# Altium PCB A4_v40.PcbDoc (part 1 of 2)
Units mil, origin at the board's own origin, x right, y up, seen from the top; angles counter-clockwise.
Board outline 3937.01 x 3149.61 mil, 2 copper layers (Top Layer, Bottom Layer); 100 components, 61 nets, 293 pads, 30 vias.
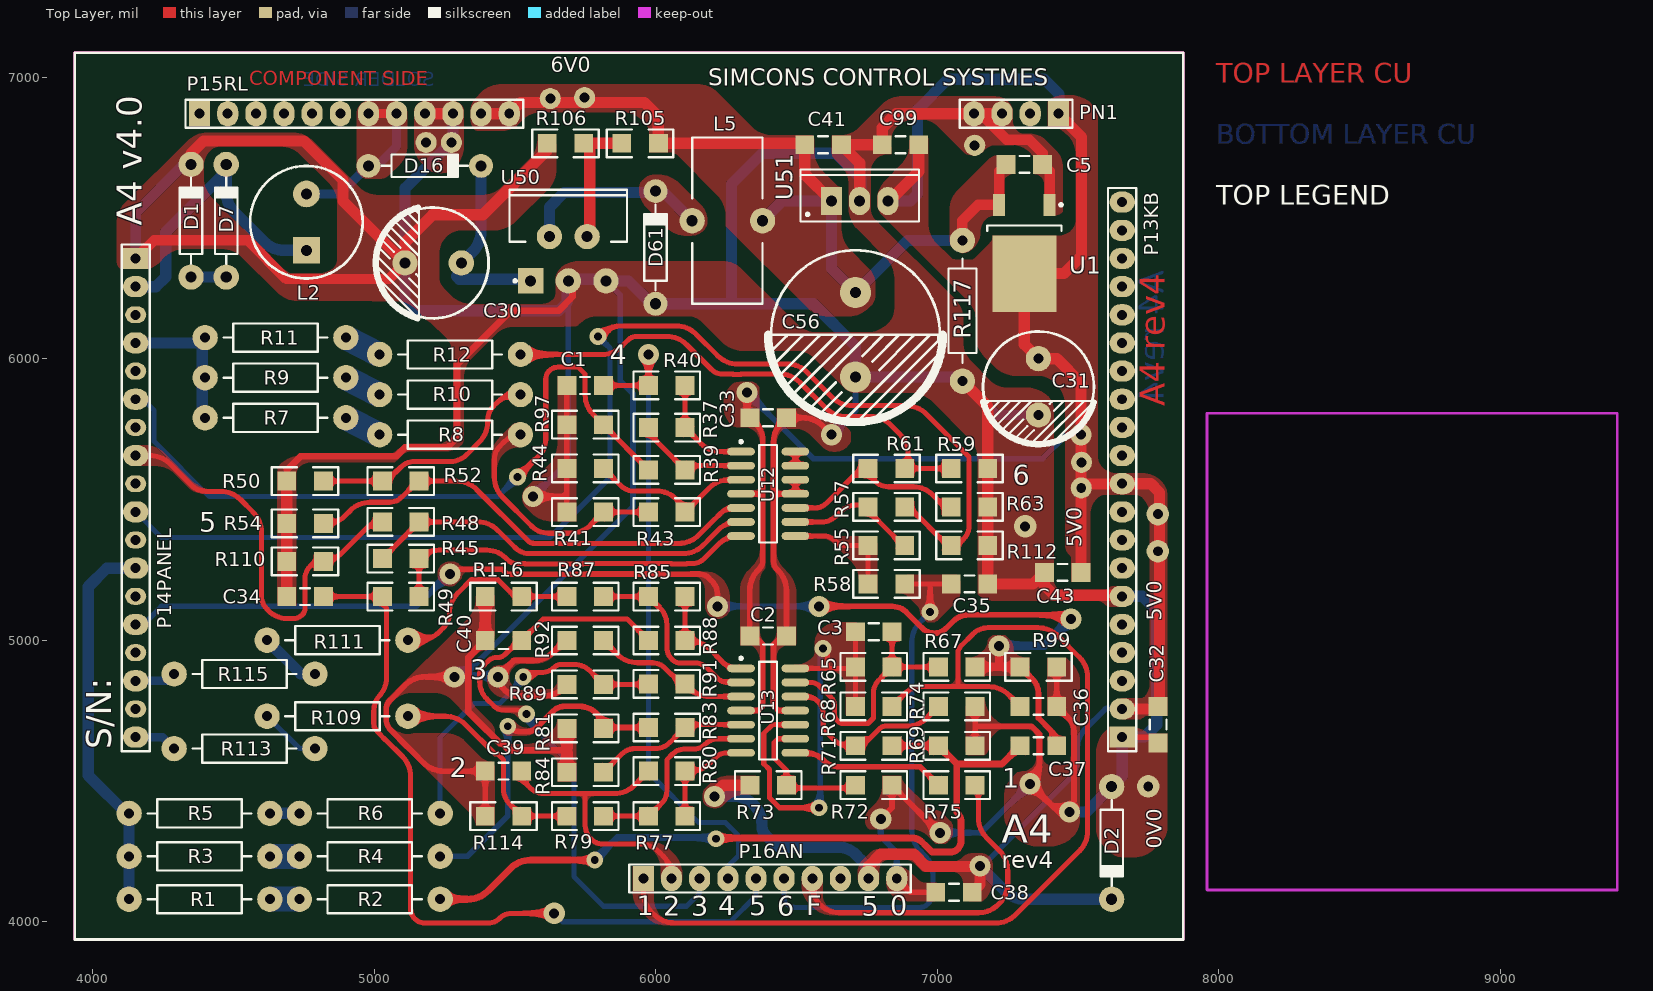
[diagram p0: Top Layer view]
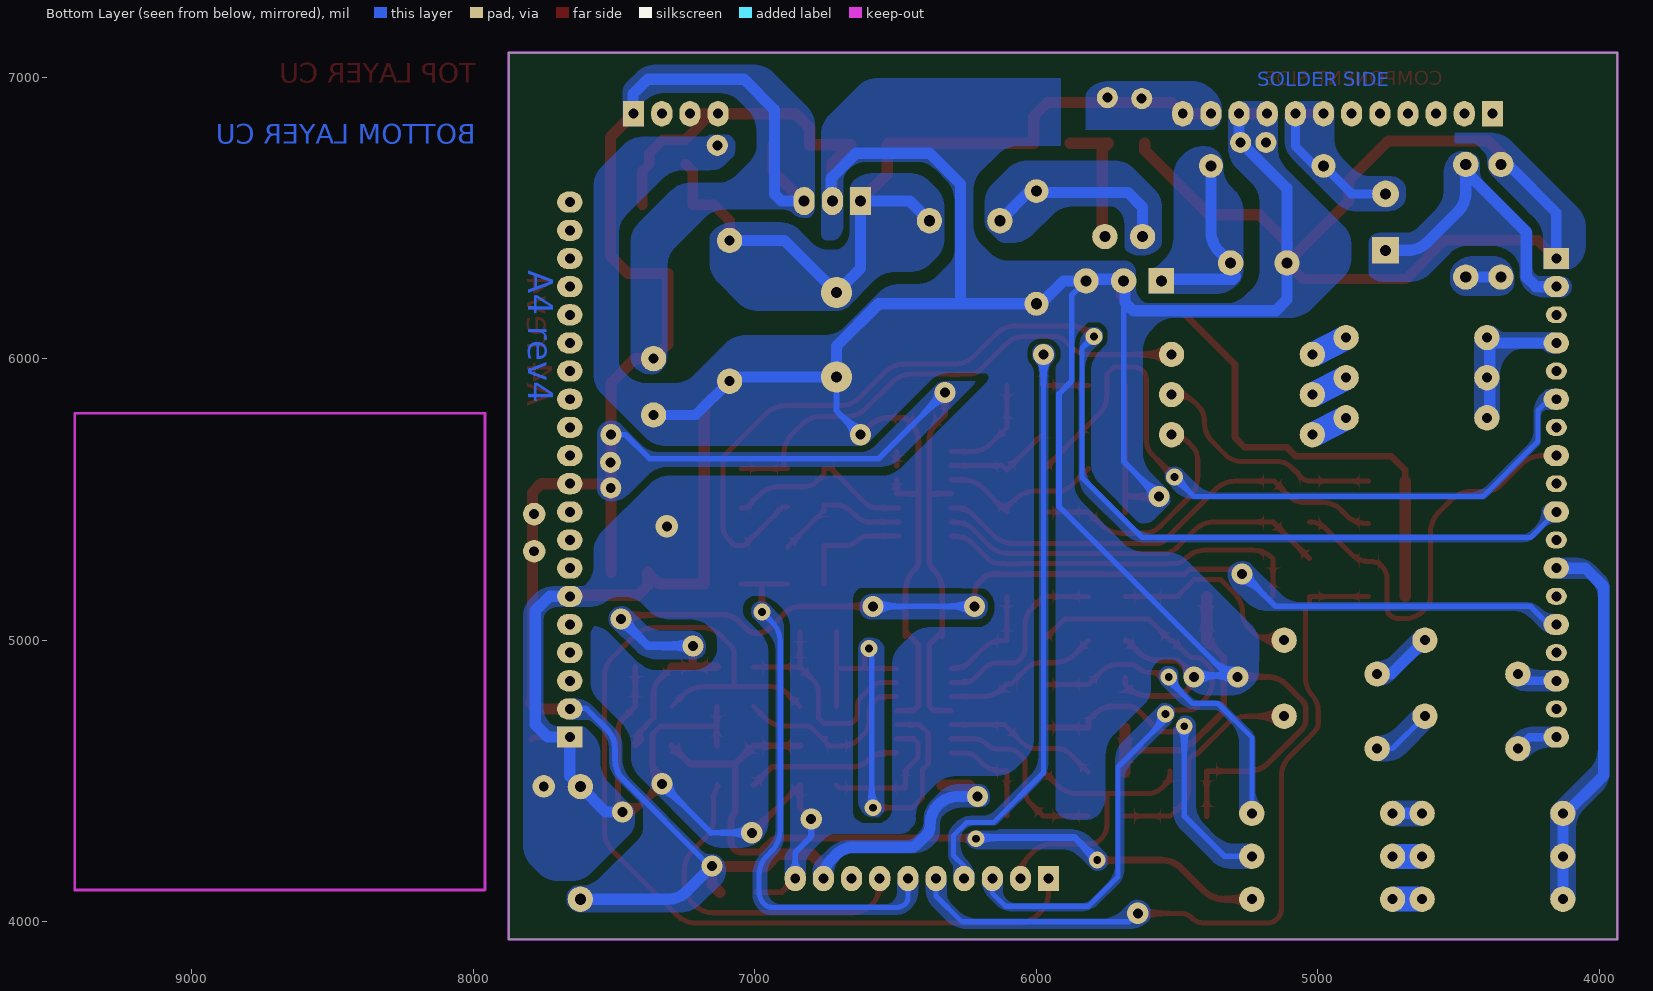
[diagram p1: Bottom Layer view, seen from below]
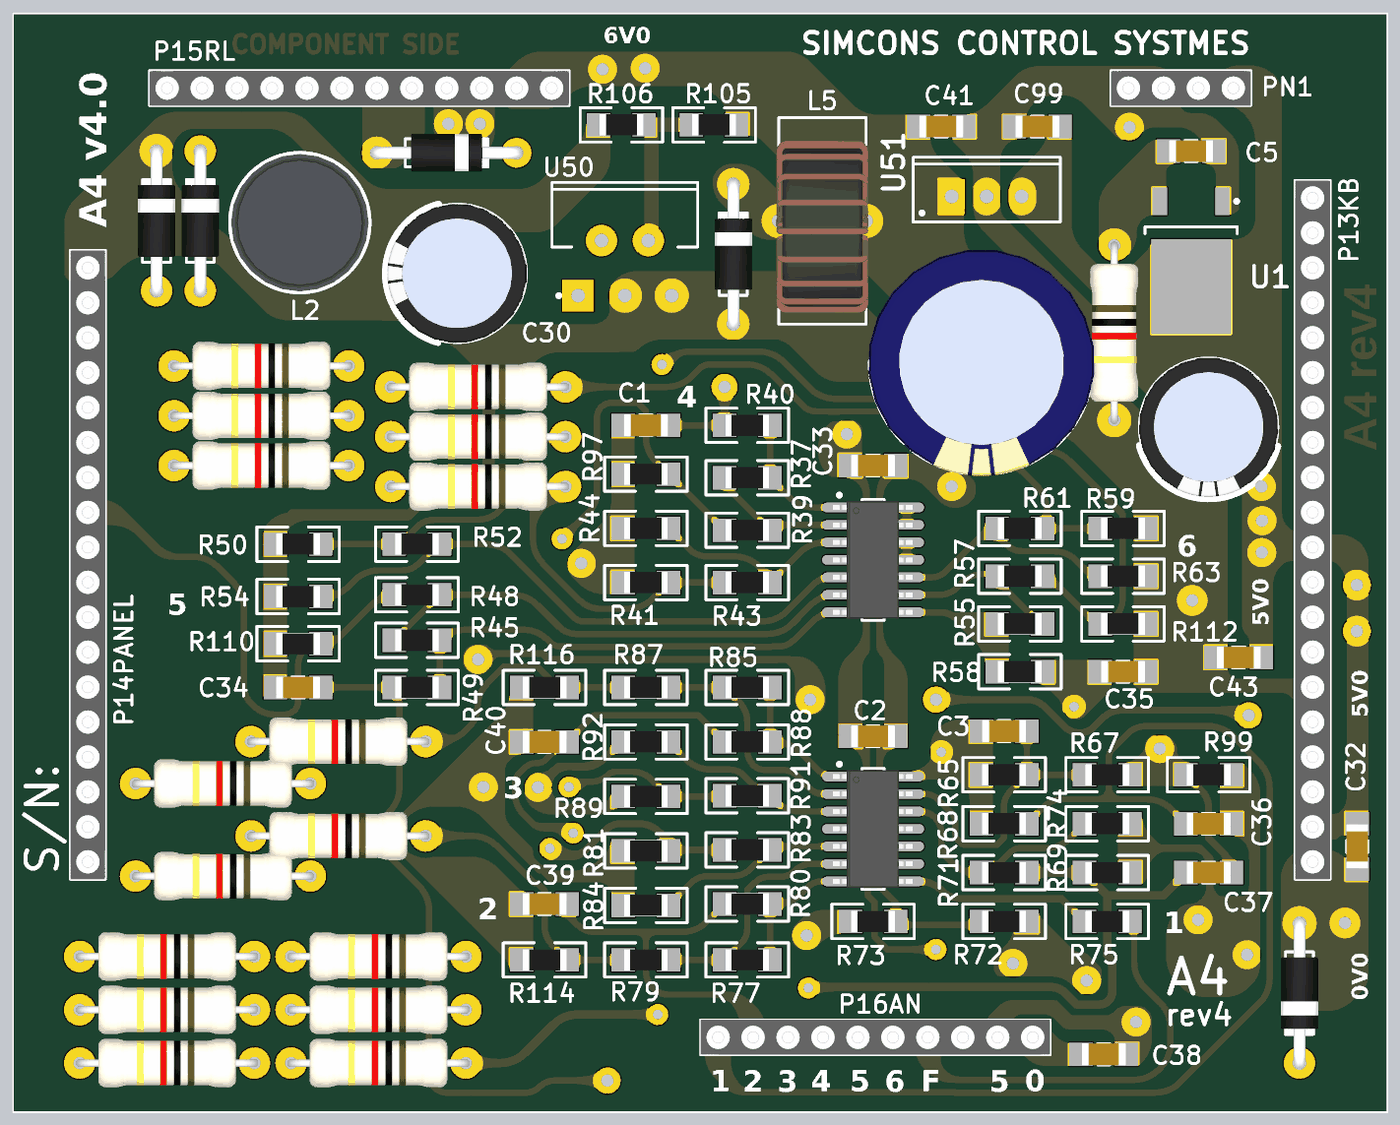
[diagram p3: 3D render of the assembled board from above, using the file's embedded part models]

## Layer stack, top to bottom
Top Solder: solder mask 0.4, Solder Resist, Dk 3.5
Top Layer: signal copper 1.4
Dielectric1: dielectric 12.6, FR-4, Dk 4.8
Bottom Layer: signal copper 1.4
Bottom Solder: solder mask 0.4, Solder Resist, Dk 3.5

## Board outline
3937.01,3937.01 7874.02,3937.01 7874.02,7086.61 3937.01,7086.61

## Design rules (kind name [scope] priority, off if disabled: settings)
Clearance [All] p1: gap=18 ignorepadtopadclearanceinfootprint=FALSE except(0: Arc-Hole Track-Hole SMDPad-Hole THPad-Hole Via-Hole Fill-Hole Poly-Hole Region-Hole Text-Hole)
ComponentClearance [All] p1 off: gap=10 collisioncheckmode=3 verticalgap=10 showdistances=FALSE
Height [All] p1 off: minheight=0 maxheight=1000 prefheight=500
MinimumSolderMaskSliver [All] p1: minsoldermaskwidth=0
PlaneConnect [All] p1: planeconnectstyle=Relief reliefexpansion=20 reliefentries=4 reliefconductorwidth=22 reliefairgap=8
PolygonConnect [All] p1: connectstyle=Direct reliefconductorwidth=10 reliefentries=4 polygonreliefangle="90 Angle" airgapwidth=10
RoutingVias [All] p1: holewidth=35.43 width=60 viastyle="Through Hole" minholewidth=28 minwidth=60 maxholewidth=59.06 maxwidth=90
SilkToSilkClearance [All] p1: silktosilkclearance=0
SilkToSolderMaskClearance SilkscreenOverComponentPads [IsPad] p1: minsilkscreentomaskgap=1 clearancetoexposedcopper=TRUE
SolderMaskExpansion [All] p1: expansion=4
Width [All] p1: maxlimit=40 minlimit=18 preferedwidth=18
24 further rules are at their usual default settings.

## Classes and differential pairs
component class SUPPLY_v40: "1K 1206" C5 C30 C31 C32 C43 C56 C99 D1 D2 D7 D16 D61 L2 L5 R105 R106 R117 U1 U50 U51
component class BOTTOM_v40: C41 P13KB P14PANEL P15RL P16AN PN1
component class AC_v40: C1 C33 C34 C35 R7 R8 R9 R10 R11 R12 R37 R39 R40 R41 R43 R44 R45 R48 R49 R50 R52 R54 R55 R57 R58 R59 R61 R63 R97 R110 R112 U12
component class AC2_v40: C2 C3 C36 C37 C38 C39 C40 R1 R2 R3 R4 R5 R6 R65 R67 R68 R69 R71 R72 R73 R74 R75 R77 R79 R80 R81 R83 R84 R85 R87 R88 R89 R91 R92 R99 R109 R111 R113 R114 R115 R116 U13

## Components (designator, comment, footprint, x,y, rotation, side; value= is the part's Value field where it differs from the comment)
C1 "10uF/63V" C1206 5750,5905 r180 top value=100pF
C2 ".1uF 1206" C1206 6400,5015 r180 top value=100pF
C3 ".1uF 1206" C1206 6775,5030 r0 top value=100pF
C5 ".1uF 1206" C1206 7310,6690 r180 top value=100nF
C30 "Cap Electrolitic 1000uF/50V" CAP_.2-2#1 5210,6340 r270 top value=330uF
C31 "Cap Electrolytic 470uF/16V" CAP_.2-2#2 7360,5900 r0 top value=100uF
C32 ".1uF 1206" C1206 7785,4700 r90 top value=100nF
C33 ".1uF 1206" C1206 6400,5790 r180 top value=100pF
C34 "10uF/63V" C1206 4755,5155 r180 top value=100pF
C35 "10uF/63V" C1206 7115,5200 r0 top value=100pF
C36 "10uF/63V" C1206 7360,4765 r0 top value=100pF
C37 "22nF 1206" C1206 7360,4625 r0 top value=100pF
C38 ".1uF 1206" C1206 7060,4105 r0 top value=100pF
C39 "10uF/63V" C1206 5460,4535 r180 top value=100pF
C40 "10uF/63V" C1206 5460,4999 r180 top value=100pF
C41 ".1uF 1206" C1206 6595,6760 r180 top value=100pF
C43 "1uF 1206" C1206 7446,5241 r0 top value=100nF
C56 "Cap Electrolitic 3300uF/16V" CAP_.3 6710,6085 r0 top value=330uF
C99 ".1uF 1206" C1206 6870,6760 r0 top value=100pF
D1 "P6KE33A x 2" DIODE1A#1 4350,6490 r90 top
D2 "P6KE6V8A" DIODE1A#1 7620,4280 r270 top
D7 "P6KE33A x 2" DIODE1A#1 4475,6490 r90 top
D16 "1N4007" DIODE1A#2 5180,6685 r0 top
D61 "1N5819" DIODE1A#2 6000,6395 r90 top
L2 "Inductor 220uH" INDUCTOR 4760,6485 r180 top value=4.7mH
L5 "Inductor Toroid 1mH" INDUCTORTOROID 6255,6490 r90 top value=10mH
P13KB "Header 20" HDR1X20_BURGE_F 7657.48,4655.91 r90 top locked
P14PANEL "Header 18" HDR1X18_BURGE_F 4153.54,6355.91 r270 top locked
P15RL "Header 12" HDR1X12_BURGE_F 4380.31,6870.08 r0 top locked
P16AN "Header 10" HDR1X10_BURGE_F 5956.69,4153.54 r0 top locked
PN1 "Header 4" HDR1X4_BURGE_F 7430.71,6870.08 r180 top locked
R1 "MFR 1M .5W" AXIAL-0.5 4380,4080 r0 top value=100K
R2 "MFR 1M .5W" AXIAL-0.5 4985,4080 r0 top value=100K
R3 "MFR 1M .5W" AXIAL-0.5 4380,4232.5 r0 top value=100K
R4 "MFR 1M .5W" AXIAL-0.5 4985,4232.5 r0 top value=100K
R5 "MFR 1M .5W" AXIAL-0.5 4380,4385 r0 top value=100K
R6 "MFR 1M .5W" AXIAL-0.5 4985,4385 r0 top value=100K
R7 "MFR 1M .5W" AXIAL-0.5 4650,5790 r0 top value=100K
R8 "MFR 1M .5W" AXIAL-0.5 5270,5730 r0 top value=100K
R9 "MFR 1M .5W" AXIAL-0.5 4650,5932.5 r0 top value=100K
R10 "MFR 1M .5W" AXIAL-0.5 5270,5872.5 r0 top value=100K
R11 "MFR 1M .5W" AXIAL-0.5 4650,6075 r0 top value=100K
R12 "MFR 1M .5W" AXIAL-0.5 5270,6015 r0 top value=100K
R37 "1M 1206" R1206 6040,5755 r180 top value=1k
R39 "220K 1206" R1206 6040,5605 r180 top value=1k
R40 "33K 1206" R1206 6040,5905 r0 top value=1k
R41 "4.7K 1206" R1206 5750,5455 r180 top value=1k
R43 "220K 1206" R1206 6040,5455 r180 top value=1k
R44 "1M 1206" R1206 5750,5610.25 r0 top value=1k
R45 "1M 1206" R1206 5095,5290 r180 top value=1k
R48 "220K 1206" R1206 5095,5420 r180 top value=1k
R49 "33K 1206" R1206 5095,5155 r0 top value=1k
R50 "4.7K 1206" R1206 4755,5565 r180 top value=1k
R52 "220K 1206" R1206 5095,5565 r180 top value=1k
R54 "1M 1206" R1206 4755,5415 r0 top value=1k
R55 "1M 1206" R1206 6820,5336.67 r0 top value=1k
R57 "220K 1206" R1206 6820,5473.33 r0 top value=1k
R58 "33K 1206" R1206 6820,5200 r180 top value=1k
R59 "4.7K 1206" R1206 7115,5610 r0 top value=1k
R61 "220K 1206" R1206 6820,5610 r0 top value=1k
R63 "1M 1206" R1206 7115,5473.33 r180 top value=1k
R65 "1M 1206" R1206 6775,4905 r0 top value=1k
R67 "220K 1206" R1206 7070,4905 r0 top value=1k
R68 "33K 1206" R1206 6775,4765 r180 top value=1k
R69 "4.7K 1206" R1206 7070,4625 r0 top value=1k
R71 "220K 1206" R1206 6775,4625 r0 top value=1k
R72 "1K 1206" R1206 6775,4485 r0 top value=1k
R73 "10K 1206" R1206 6400,4485 r0 top value=1k
R74 "1M 1206" R1206 7070,4765 r180 top value=1k
R75 "10K 1206" R1206 7070,4485 r0 top value=1k
R77 "1M 1206" R1206 6040,4375 r180 top value=1k
R79 "220K 1206" R1206 5750,4375 r180 top value=1k
R80 "33K 1206" R1206 6040,4535 r0 top value=1k
R81 "4.7K 1206" R1206 5750,4687 r180 top value=1k
R83 "220K 1206" R1206 6040,4690 r180 top value=1k
R84 "1M 1206" R1206 5750,4531 r0 top value=1k
R85 "1M 1206" R1206 6040,5155 r180 top value=1k
R87 "220K 1206" R1206 5750,5155 r180 top value=1k
R88 "33K 1206" R1206 6040,4999 r0 top value=1k
R89 "4.7K 1206" R1206 5750,4843 r180 top value=1k
R91 "220K 1206" R1206 6040,4845 r180 top value=1k
R92 "1M 1206" R1206 5750,4999 r0 top value=1k
R97 "4.7K 1206" R1206 5750,5765.5 r0 top value=100
R99 "4.7K 1206" R1206 7360,4905 r180 top value=100
R105 "18K 1206" R1206 5945,6765 r0 top value=1K
R106 "4.7K 1206" R1206 5680,6765 r0 top value=1.1K
R109 "MFR 1M .5W" AXIAL-0.5 4870,4730 r0 top value=100K
R110 "4.7K 1206" R1206 4755,5280 r0 top value=100
R111 "MFR 1M .5W" AXIAL-0.5 4870,5000 r0 top value=100K
R112 "4.7K 1206" R1206 7115,5336.67 r180 top value=100
R113 "MFR 1M .5W" AXIAL-0.5 4540,4615 r0 top value=100K
R114 "4.7K 1206" R1206 5460,4375 r0 top value=100
R115 "MFR 1M .5W" AXIAL-0.5 4540,4880 r0 top value=100K
R116 "4.7K 1206" R1206 5460,5155 r0 top value=100
R117 "MFR 220E .5W" AXIAL-0.5 7090,6170 r90 top value=1K
U1 "LM1117DTX-5.0" TD03B_N 7310,6375 r270 top
U12 "LM324AD" D014_M 6400,5520 r0 top
U13 "LM324AD" D014_M 6400,4750 r0 top
U50 "LM2576T-ADJ" T05D 5690,6355 r0 top
U51 "LM2940CT-5.0" T03B 6725,6560 r0 top

## Footprints (in the part's own frame and the unit in brackets; to place one, negate y for a bottom-side part, rotate by r counter-clockwise, add the part's x,y. Pads: shape width x height; smd on the part's side, far side on the other; paste and mask are expansions set on the pad)
AXIAL-0.5 [mil] "Axial Device, Thru-Hole; 2 Leads; 0.5 in Pin Spacing"
  round 90 hole 35.43: 1(-250,0) 2(250,0)
  silkscreen extent -185,-50 185,50, body extent -261,-69 261,69, height 153
C1206 [mm] "Chip Capacitor, Body 3.2x1.6mm, IPC High Density"
  rect 1.7x1.7 smd: 1(-1.65,0) 2(1.65,0)
  silkscreen extent -0.44,-0.76 0.44,0.76, body extent -1.6,-0.8 1.6,0.8, height 1
CAP_.2-2#1 [mil]
  round 90 hole 39.37: 1(0,100) 2(0,-100)
  silkscreen extent -198,-205 197,197, body extent -199,-200 199,198, height 520
CAP_.2-2#2 [mil]
  round 90 hole 35.43: 1(0,100) 2(0,-100)
  silkscreen extent -198,-205 197,197, body extent -199,-200 199,198, height 520
CAP_.3 [mil]
  round 110 hole 39.37: 1(0,150) 2(0,-150)
  silkscreen extent -310,-315 310,300, body extent -324,-325 324,324, height 1031
D014_M [mm] "SOIC, 14-Leads, Body 8.7x3.9mm, Pitch 1.27mm, IPC Low Density"
  oval 2.5x0.7 smd: 1(-2.45,3.81) 2(-2.45,2.54) 3(-2.45,1.27) 4(-2.45,0) 5(-2.45,-1.27) 6(-2.45,-2.54) 7(-2.45,-3.81) 8(2.45,-3.81) 9(2.45,-2.54) 10(2.45,-1.27) 11(2.45,0) 12(2.45,1.27) 13(2.45,2.54) 14(2.45,3.81)
  silkscreen extent -2.57,-4.4 0.8,4.83, body extent -2.92,-4.28 2.88,4.27, height 1.75
DIODE1A#1 [mil] "DIODE 1 AMPERE"
  round 90 hole 39.37: 1(-200,0) 2(200,0)
  silkscreen extent -152,-40 152,40, body extent -217,-54 217,54, height 107
DIODE1A#2 [mil] "DIODE 1 AMPERE"
  round 85 hole 39.37: 1(-200,0) 2(200,0)
  silkscreen extent -152,-40 152,40, body extent -217,-54 217,54, height 107
HDR1X4_BURGE_F [mil] "Connector; Header; 4 Position"
  rect 75x90 hole 35.43: 1(0,0)
  oval 75x90 hole 35.43: 2(100,0) 3(200,0) 4(300,0)
  silkscreen extent -50,-50 350,50, body extent -50,-50 350,50, height 237
HDR1X10_BURGE_F [mil] "Connector; Header; 10 Position"
  rect 75x90 hole 35.43: 1(0,0)
  oval 75x90 hole 35.43: 2(100,0) 3(200,0) 4(300,0) 5(400,0) 6(500,0) 7(600,0) 8(700,0) 9(800,0) 10(900,0)
  silkscreen extent -50,-50 950,50, body extent -50,-50 950,50, height 237
HDR1X12_BURGE_F [mil] "Connector; Header; 12 Position"
  rect 75x90 hole 35.43: 1(0,0)
  oval 75x90 hole 35.43: 2(100,0) 3(200,0) 4(300,0) 5(400,0) 6(500,0) 7(600,0) 8(700,0) 9(800,0) 10(900,0) 11(1000,0) 12(1100,0)
  silkscreen extent -50,-50 1150,50, body extent -50,-50 1150,50, height 237
HDR1X18_BURGE_F [mil] "Connector; Header; 18 Position"
  rect 75x90 hole 35.43: 1(0,0)
  oval 75x90 hole 35.43: 2(100,0) 4(300,0) 6(500,0) 8(700,0) 10(900,0) 12(1100,0) 14(1300,0) 16(1500,0) 18(1700,0)
  oval 60x75 hole 35.43: 3(200,0) 5(400,0) 7(600,0) 9(800,0) 11(1000,0) 13(1200,0) 15(1400,0) 17(1600,0)
  silkscreen extent -50,-50 1750,50, body extent -50,-50 1750,50, height 237
HDR1X20_BURGE_F [mil] "Connector; Header; 20 Position"
  rect 75x90 hole 35.43: 1(0,0)
  oval 75x90 hole 35.43: 2(100,0) 3(200,0) 4(300,0) 5(400,0) 6(500,0) 7(600,0) 8(700,0) 9(800,0) 10(900,0) 11(1000,0) 12(1100,0) 13(1200,0) 14(1300,0) 15(1400,0) 16(1500,0) 17(1600,0) 18(1700,0) 19(1800,0) 20(1900,0)
  silkscreen extent -50,-50 1950,50, body extent -50,-50 1950,50, height 237
INDUCTOR [mil] "IRON CORE INDUCTOR"
  rect 95x95 hole 39.37: 1(0,100)
  round 95 hole 39.37: 2(0,-100)
  silkscreen extent -200,-200 200,200, body extent -197,-197 197,197, height 478
INDUCTORTOROID [mil] "TOROID INDUCTOR"
  round 90 hole 39.37: 1(0,125) 2(0,-125)
  silkscreen extent -295,-125 295,125, body extent -339,-132 344,132, height 140
R1206 [mm] "Chip Capacitor, Body 3.2x1.6mm, IPC High Density"
  rect 1.7x1.7 smd: 1(-1.65,0) 2(1.65,0)
  silkscreen extent -3,-1.25 3,1.25, body extent -1.59,-0.77 1.59,0.77, height 0.63
T03B [mm] "TO, Thru-Hole, Vertical, Heatsink Mounted; 3 In-Line Leads; Pitch 2.54 mm"
  rect 1.905x2.54 hole 1: 1(-2.54,0)
  oval 1.905x2.54 hole 1: 2(0,0) 3(2.54,0)
  silkscreen extent -5.35,-1.85 5.35,2.85, body extent -5.4,-1.9 5.4,2.9, height 19.4
T05D [mm] "TO, Thru-Hole, Vertical, Heatsink Mounted; 5 Bent Staggered Leads; Body 10.3x8.6x4.6mm, Pitch 1.7 mm"
  rect 2.286x2.286 hole 1: 1(-3.4,-2)
  round 2.286 hole 1: 2(-1.7,2) 3(0,-2) 4(1.7,2) 5(3.4,-2)
  silkscreen extent -5.3,-2.12 5.3,6.23, body extent -5.35,-2.31 5.35,6.28, height 21.1
TD03B_N [mm] "D-PAK, 4-Leads, Body 6.1x6.6mm, Pitch 2.29mm, Lead Span 9.7mm, IPC Medium Density"
  rect 1.981x1.067 smd: 1(-4.35,2.28) 3(-4.35,-2.28)
  rect 6.9x5.791 smd: 4(1.85,0)
  silkscreen extent -4.47,-3.35 -2,3.43, body extent -2.5,-3.35 3.7,3.35, height 2.38

## Part data
C1 C34 C35 C36 C39 C40: library part "Cap Pol1", "Polarized Capacitor (Radial)", LatestRevisionDate=17-Jul-2002, LatestRevisionNote="Re-released for DXP Platform.", PackageDescription="Polarized Capacitor (Radial); 2 Leads", PackageReference=RB7.6-15, Published=8-Jun-2000, Publisher="Altium Limited"
C2 C3 C33 C37 C38 C41 C99: library part Cap, "Capacitor", LatestRevisionDate=17-Jul-2002, LatestRevisionNote="Re-released for DXP Platform.", PackageDescription="Radial Cap, Thru-Hole; 2 Leads; 0.3 in Pin Spacing", PackageReference=RAD-0.3, Published=8-Jun-2000, Publisher="Altium Limited"
C5 C32 C43: library part CAP, "Capacitor", LatestRevisionDate=17-Jul-2002, LatestRevisionNote="Re-released for DXP Platform.", PackageDescription="Radial Cap, Thru-Hole; 2 Leads; 0.3 in Pin Spacing", PackageReference=RAD-0.3, Published=8-Jun-2000, Publisher="Altium Limited"
C30 C31 C56: library part Cap2, "Capacitor", PackageReference=CAPR5-4X5, Published=23-Sep-2002, Publisher="Altium Limited"
D1 D2 D7 D16: library part "Diode 1N5408", "3 Amp Medium Power Silicon Rectifier Diode", ComponentLink1Description="Manufacturer Link", ComponentLink1URL=http://www.irf.com/, DatasheetVersion=Aug-1984, LatestRevisionDate=17-Jul-2002, LatestRevisionNote="Re-released for DXP Platform.", PackageDescription="Diode, Axial; Body 9.5 x 5.3 mm (LxDia. max), Lead Dia. 1.32 mm (max)", PackageReference=DO-201AD, Published=8-Jun-2000, Publisher="Altium Limited"
D61: library part 1N5221B, "Silicon Zener Diode (0.3 to 0.5W)", Code_JEDEC=DO-204-AH, ComponentLink1Description="Manufacturer Link", ComponentLink1URL=http://www.vishay.com/, ComponentLink2Description=Datasheet, ComponentLink2URL=http://www.vishay.com/docs/85588/85588.pdf, DatasheetDocument=6-Aug-1999, LatestRevisionDate=17-Jul-2002, LatestRevisionNote="Re-released for DXP Platform.", PackageReference=DO-35, Published=8-Jun-2000, Publisher="Altium Limited"
L2 L5: library part Inductor, "Inductor", Code_IEC=1005, Code_JEITA=0402, LatestRevisionDate=29-May-2009, LatestRevisionNote="IPC-7351 Footprint Added.", PackageDescription="Chip Inductor", PackageReference=0402-A, Published=8-Jun-2000, Publisher="Altium Limited"
P13KB: "Header, 20-Pin", LatestRevisionDate=17-Jul-2002, LatestRevisionNote="Re-released for DXP Platform.", Publisher="Altium Limited"
P14PANEL: "Header, 18-Pin", LatestRevisionDate=17-Jul-2002, LatestRevisionNote="Re-released for DXP Platform.", Publisher="Altium Limited"
P15RL: "Header, 12-Pin", LatestRevisionDate=17-Jul-2002, LatestRevisionNote="Re-released for DXP Platform.", Publisher="Altium Limited"
P16AN: "Header, 10-Pin", LatestRevisionDate=17-Jul-2002, LatestRevisionNote="Re-released for DXP Platform.", Publisher="Altium Limited"
PN1: "Header, 4-Pin", LatestRevisionDate=17-Jul-2002, LatestRevisionNote="Re-released for DXP Platform.", Publisher="Altium Limited"
R1 R2 R3 R4 R5 R6 R7 R8 R9 R10 R11 R12 R37 R39 R40 R41 R43 R44 R45 R48 R49 R50 R52 R54 R55 R57 R58 R59 R61 R63 R65 R67 R68 R69 R71 R72 R73 R74 R75 R77 R79 R80 R81 R83 R84 R85 R87 R88 R89 R91 R92 R97 R99 R109 R110 R111 R112 R113 R114 R115 R116 R117: library part "Res Semi", "Semiconductor Resistor", LatestRevisionDate=17-Jul-2002, LatestRevisionNote="Re-released for DXP Platform.", PackageDescription="Axial Device, Thru-Hole; 2 Leads; 0.5 in Pin Spacing", PackageReference=AXIAL-0.5, Published=8-Jun-2000, Publisher="Altium Limited"
R105 R106: library part "Res SMT", "Semiconductor Resistor", LatestRevisionDate=17-Jul-2002, LatestRevisionNote="Re-released for DXP Platform.", PackageDescription="Axial Device, Thru-Hole; 2 Leads; 0.5 in Pin Spacing", PackageReference=AXIAL-0.5, Published=8-Jun-2000, Publisher="Altium Limited"
U1: "800mA Low-Dropout Linear Regulator, 3-pin TO-252", Manufacturer="National Semiconductor", PackageTopMarking=NSUZXYTT*LM1117*DT-5.0, PowerWise=N, Code_JEDEC=TO-252-AA, ComponentLink1Description="LM1117 Datasheet", ComponentLink1URL=http://www.national.com/ds/LM/LM1117.pdf, ComponentLink2Description="LM1117 Web Page", ComponentLink2URL=http://www.national.com/pf/LM/LM1117.html, ComponentLink3Description="TD03B Package Page", ComponentLink3URL=http://www.national.com/packaging/folders/td03b.html, CompType="LDO IC", DatasheetVersion=Apr-2006, PackageDescription="TO252, Molded, Jedec, 6.8 x 6.10 x 2.30mm Body, 3 Lead, 2.28mm Pitch, Surface Mount", PackageReference=TD03B, PackageVersion="revD, Feb-2009", PartNumber=LM1117DTX-5.0, PinCount=3, Published=1-Mar-2010, Publisher="Altium Limited", RoHS=N
U12 U13: "Quadruple Operational Amplifier", Code_IPC=SOIC127P600-14, ComponentLink1Description="Manufacturer Link", ComponentLink1URL=http://www.ti.com/, ComponentLink2Description=Datasheet, ComponentLink2URL=http://www-s.ti.com/sc/ds/lm324.pdf, DatasheetVersion=Jan-1989, LatestRevisionDate=13-Apr-2006, LatestRevisionNote="IPC-7351 Footprint Added.", PackageDescription="14-Pin Small Outline Integrated Circuit 1.27 mm Pitch", PackageReference=D014, PackageVersion=Jan-1998, Published=15-Apr-2002, Publisher="Altium Limited"
U50: "SIMPLE SWITCHER® 3A Step-Down Voltage Regulator, 5-pin TO-220", Manufacturer="National Semiconductor", PackageTopMarking="NSUZXYTTE#*LM2576T*-ADJ P+", PowerWise=N, Supplier Part Number 1=9488146, Code_JEDEC=TO-220-AB, ComponentLink1Description="LM2576 Datasheet", ComponentLink1URL=http://www.national.com/ds/LM/LM2576.pdf, ComponentLink2Description="LM2576 Web Page", ComponentLink2URL=http://www.national.com/pf/LM/LM2576.html, ComponentLink3Description="T05A Package Page", ComponentLink3URL=http://www.national.com/packaging/folders/t05a.html, CompType=Switcher, DatasheetVersion=Aug-2004, PackageDescription="TO-220, Molded, 5 Lead, Straight", PackageReference=T05A, PackageVersion="revJ, Jan-1992", PartNumber=LM2576T-ADJ, PinCount=5, Published=4-Dec-2008, Publisher="Altium Limited", RoHS=N, Supplier 1=Farnell
U51: "1A Low Dropout Regulator, 3-pin TO-220", Manufacturer="National Semiconductor", PackageTopMarking="NSUZXYTTE#*LM2940CT*-5.0 P+", PowerWise=N, Supplier Part Number 1=9490191, ComponentLink1Description="LM2940C Datasheet", ComponentLink1URL=http://www.national.com/ds/LM/LM2940C.pdf, ComponentLink2Description="LM2940C Web Page", ComponentLink2URL=http://www.national.com/pf/LM/LM2940C.html, ComponentLink3Description="T03B Package Page", ComponentLink3URL=http://www.national.com/packaging/folders/t03b.html, CompType="LDO IC", DatasheetVersion=Jan-2007, PackageDescription="TO-220, Molded, 3 Lead, Straight", PackageReference=T03B, PackageVersion="revL, Jan-1992", PartNumber=LM2940CT-5.0, PinCount=3, Published=4-Dec-2008, Publisher="Altium Limited", RoHS=N, Supplier 1=Farnell, Supplier 2=Farnell, Supplier Part Number 2=1523853

## Free pads (board coordinates)
  round 75 hole 35.43: 2(7513,5632) 3(7512,5541) 4(5185,6768) 5(5275,6768) 6(5748,6927) 7(5626,6924) 8(7133.57,6758)
  round 80 hole 35.43: 9(7750,4481) 10(7784,5316) 11(7784,5448)

## Via types
v1: diameter 75, hole 35.43, Top Layer to Bottom Layer, 19 vias
v2: diameter 60, hole 28, Top Layer to Bottom Layer, 10 vias
v3: diameter 80, hole 35.43, Top Layer to Bottom Layer, 1 vias

## Nets (pads, with @x,y where several pads share a name; then routed paths per layer and width w, separated by ;. In a path a pad name is that pad's centre, name@x,y a point inside that pad or via, vN(x,y) a via of type N, cw(c..) or ccw(c..) an arc to the next point about the centre after c; other vN are vias at no path point)
+9V: C5.2 C41.2 C56.1 L5.2 P15RL.11 P15RL.12 pad.6 pad.7 R105.2 R117.2 U1.3 U51.1 | length 2991.8
  Top Layer w37: R117.2@7090,6420 7090,6490 7146.26,6546.26 U1.3@7220.24,6546.26 7220.24,6665.2 C5.2@7245.04,6690
  Top Layer w40: P15RL.11@5380.32,6870.08 P15RL.12@5480.32,6870.08 5520.24,6910 5960,6910 6009.96,6860.04 R105.2@6009.96,6765 6525.04,6765 C41.2@6530.04,6760 6530.04,6654.96 U51.1@6625,6560
  Bottom Layer w40: L5.2@6380,6490 6450,6560 U51.1@6625,6560 6625,6320 C56.1@6710,6235 6895,6420 R117.2@7090,6420
B_M: P14PANEL.10 R57.2 R112.2 | length 4401.8
  Top Layer w18: v2(5796,6079) 5803.96,6086.96 cw(c5874.67,6016.24) 5874.67,6116.24 6073.29,6116.24 cw(c6073.29,6016.24) 6144,6086.96 6220.67,6010.29 ccw(c6291.38,6081) 6291.38,5981 6430.62,5981 6431.19,5981.57 6459.06,5981.57 6459.63,5981 6467.58,5981 cw(c6467.58,5881) 6538.29,5951.71 6627.71,5862.29 ccw(c6698.42,5933) 6698.42,5833 6890.73,5833 cw(c6890.73,5733) 6961.44,5803.71 7114,5651.15 7114,5408 cw(c7043.99,5408) 7093.51,5358.51 7071.67,5336.67 R112.2@7050.04,5336.67 7037.33,5336.67 6900.67,5473.33 R57.2@6884.96,5473.33
  Bottom Layer w18: P14PANEL.10@4153.54,5455.91 4244.45,5365 5625,5365 5838,5578 5838,6037 v2(5796,6079)
BAT: C30.1 D16.2 U50.1 | length 643
  Bottom Layer w40: 5292.5,6292.5 5302.48,6282.52 U50.1@5519.21,6282.52 ; 5295,6295 C30.1@5325,6325 ; C30.1@5310,6340 5350.71,6380.71 ccw(c5280,6451.42) 5380,6451.42 D16.2@5380,6685
BAT+: D7.2 L2.1 P14PANEL.2 | length 1069.4
  Bottom Layer w40: P14PANEL.2@4153.54,6255.91 4225.91,6255.91 4260,6290 4260,6450 D7.2@4475,6665 ; D7.2@4475,6690 D7.2@4475,6665 ; L2.1@4760,6385 4681.42,6385 cw(c4681.42,6485) 4610.71,6414.29 4504.29,6520.71 cw(c4575,6591.42) 4475,6591.42 D7.2@4475,6665
DG-B_: C36.1 P16AN.1 R68.1 | length 3600.3
  Top Layer w18: P16AN.1@5956.69,4153.54 5956.69,4104.73 ccw(c6056.69,4104.73) 5985.98,4034.02 5994.71,4025.29 ccw(c6065.42,4096) 6065.42,3996 6634.55,3996 6635.13,3995.42 7208,3995.42 ccw(c7208,4095.42) 7278.71,4024.71 7505.21,4251.21 ccw(c7434.5,4321.92) 7534.5,4321.92 7534.5,4869.08 ccw(c7434.5,4869.08) 7505.21,4939.79 7429.79,5015.21 ccw(c7359.08,4944.5) 7359.08,5044.5 7181,5044.5 ccw(c7181,4968.45) 7127.23,5022.23 7085.45,4980.45 ccw(c7111.91,4954) 7074.5,4954 7074.5,4835.5 7075,4835 ; R68.1@6839.96,4765 6887.31,4812.34 ; 6887.34,4812.38 cw(c6942,4757.65) 6942,4835 7075,4835 ; C36.1@7295.04,4765 7254.33,4805.71 ccw(c7183.62,4735) 7183.62,4835 7075,4835
DG-R_: C40.1 P16AN.3 R88.1 | length 2180.4
  Top Layer w18: 5385.37,4906.59 ccw(c5409.27,4882.73) 5375.5,4882.73 5375.5,4852 ccw(c5461.2,4852) 5376.58,4838.42 ccw(c5461.2,4852) 5400.6,4791.4 5427,4765 ccw(c5459.68,4797.68) 5459.68,4751.46 5509.49,4751.46 cw(c5509.49,4705.49) v2(5542,4738) ; 5385.39,4906.61 5403.78,4925 ; 5403.81,4925.03 cw(c5436.46,4892.32) 5436.46,4938.54 5439,4938.54 ccw(c5439,4975.2) 5464.92,4949.27 5514.65,4999 C40.1@5524.96,4999 5600.96,5075 5899.04,5075 R88.1@5975.04,4999
  Bottom Layer w18: v2(5542,4738) 5542,4718 5710,4550 5710,4160 5815,4055 6110,4055 6156.69,4101.69 P16AN.3@6156.69,4153.54
DG-Y_: C39.1 P16AN.2 R80.1 | length 1127.6
  Top Layer w18: 5769.07,4295.93 cw(c5815.18,4342) 5750,4342 5750,4455 ; 5769.09,4295.91 5771.5,4293.5 ; 5771.53,4293.47 ccw(c5813.75,4335.75) 5813.75,4276 5943.69,4276 cw(c5943.69,4178.69) 6012.5,4247.5 6027.4,4232.6 cw(c5956.69,4161.89) 6056.69,4161.89 P16AN.2@6056.69,4153.54 ; 5913.45,4473.41 5924.33,4484.29 ; R80.1@5975.04,4535 5924.33,4484.29 ; 5546.13,4483.87 cw(c5597.29,4535) C39.1@5524.96,4535 5524.96,4505.04 5546.13,4483.87 ; 5546.15,4483.85 5554.5,4475.5 ccw(c5603.99,4524.99) 5603.99,4455 5750,4455 ; 5750,4455 5853.62,4455 ccw(c5853.62,4555) 5924.33,4484.29
DGB: P14PANEL.16 R115.1 | length 146.4
  Bottom Layer w30: P14PANEL.16@4153.54,4855.91 4265.91,4855.91 R115.1@4290,4880
DGN: P14PANEL.12 R1.1 R3.1 R5.1 | length 1355.9
  Bottom Layer w40: R1.1@4130,4090 R3.1@4130,4232.5 4130,4375 3985,4520 3985,5190 4050.91,5255.91 P14PANEL.12@4153.54,5255.91
DGR_M: C37.2 P14PANEL.14 R67.2 R99.2 | length 4451.5
  Top Layer w20: v1(5270,5235) 5288,5235 5305.46,5252.46 5455.01,5252.46 5472.75,5234.73 5496,5234.73 ccw(c5497.04,5235.77) 5497.04,5234.29 5756.62,5234.29 5757.33,5235 6040.38,5235 6041.09,5234.29 6125.75,5234.29 6126.45,5235 6155.91,5235 cw(c6155.91,5188.91) 6188.5,5221.5 6200.5,5209.5 cw(c6153.42,5162.42) 6220,5162.42 v1(6220,5120) ; v1(6580,5120) 6841.72,5120 cw(c6841.72,5051.72) 6890,5100 6946.62,5043.38 ; 6946.64,5043.36 ccw(c6991,5087.77) 6991,5025 ccw(c6991,5082.94) 7031.97,5041.97 7058,5068 cw(c7111.11,5014.89) 7111.11,5090 7460,5090 v1(7475,5075) ; R99.2@7295.04,4905 7339.47,4860.57 cw(c7289.89,4811) 7360,4811 7360,4723.43 7401.29,4682.14 ; C37.2@7401.5,4648.46 C37.2@7424.96,4625 ccw(c7344.15,4625) 7402.22,4681.2 ; 7401.29,4682.14 cw(c7344.15,4625) 7402.22,4681.2 ; 7401.29,4682.14 7402.22,4681.22
  Top Layer w30: R67.2@7134.96,4905 7210,4905 ; v1(7220,4980) 7220,4915 7210,4905 ; R99.2@7295.04,4905 7210,4905
  Bottom Layer w20: P14PANEL.14@4153.54,5055.91 4180.91,5055.91 4245,5120 5150,5120 5265,5235 v1(5270,5235) ; v1(6220,5120) v1(6580,5120)
  Bottom Layer w30: v1(7220,4980) 7380,4980 v1(7475,5075)
DGY: P14PANEL.18 R113.1 | length 153.4
  Bottom Layer w30: P14PANEL.18@4153.54,4655.91 4249.09,4655.91 R113.1@4290,4615
EB-B_: C35.1 P16AN.6 R58.1 | length 1952.5
  Top Layer w18: R58.1@6884.96,5200 6975,5200 ; v2(6975,5100) 6975,5200 ; C35.1@7050.04,5200 6975,5200
  Bottom Layer w18: P16AN.6@6456.69,4153.54 6456.69,4082.64 ccw(c6481.64,4082.64) 6464,4065 ccw(c6497.8,4098.8) 6497.8,4051 6937.83,4051 ccw(c6937.83,4092.71) 6967.32,4063.22 ccw(c6924.65,4105.89) 6985,4105.89 6985,4165.58 ccw(c6885,4165.58) 6955.71,4236.29 6939.29,4252.71 cw(c7010,4323.42) 6910,4323.42 6910,4993.58 cw(c7010,4993.58) 6939.29,5064.29 v2(6975,5100)
EB-R_: C1.1 P16AN.4 R40.1 | length 2335.7
  Top Layer w18: C1.1@5814.96,5905 R40.1@5975.04,5905 v1(5975.04,6015.04)
  Bottom Layer w18: v1(5975.04,6015.04) 5975.04,4529.96 6153,4352 6248,4352 6295,4305 6295,4235 6256.69,4196.69 P16AN.4@6256.69,4153.54
EB-Y_: C34.1 P16AN.5 R49.1 | length 2763
  Top Layer w18: C34.1@4819.96,5155 R49.1@5030.04,5155 5030.04,5129.96 5045,5115 5045,4868.56 cw(c4948.44,4868.56) 5024.38,4808.92 ccw(c5085.65,4747.65) 5010,4789.9 ccw(c5085.65,4747.65) 4999,4747.65 4999,4704.23 ccw(c5036.56,4704.23) 5010,4677.67 5022.41,4665.27 5022.41,4664.14 5040.66,4645.88 5041.79,4645.88 5100.71,4586.96 cw(c5030,4516.25) 5130,4516.25 5130,4046.21 ccw(c5181.21,4046.21) 5144.99,4010.01 ccw(c5181.23,4046.24) 5181.23,3995 5404.25,3995 ccw(c5404.25,4054.75) 5446.47,4012.47 ; 5446.53,4012.53 cw(c5488.75,3970.25) 5488.75,4030 v1(5640,4030)
  Bottom Layer w18: v1(5640,4030) 5670,4000 6265,4000 6356.69,4091.69 P16AN.5@6356.69,4153.54
FREQ: P16AN.7 R75.2 | length 1223.2
  Top Layer w18: P16AN.7@6556.69,4153.54 6556.69,4129.73 ccw(c6656.69,4129.73) 6585.98,4059.02 ccw(c6651.21,4124.25) 6651.21,4032 7146.58,4032 ccw(c7146.58,4132) 7169.71,4034.71 ccw(c7146.58,4132) 7217.29,4061.29 7221.71,4065.71 ccw(c7151,4136.42) 7251,4136.42 7251,4181.58 ccw(c7151,4181.58) 7221.71,4252.29 7176.29,4297.71 cw(c7247,4368.42) 7147,4368.42 7147,4439 ccw(c7088.96,4439) 7130,4480.04 R75.2@7134.96,4485
FREQIN: C3.1 R65.1 R68.2 U13.10 U13.14 | length 1680.5
  Top Layer w18: U13.10@6496.46,4700 6415,4700 6384.24,4669.24 6384.24,4560.76 6404.5,4540.5 6404.5,4440.35 6420.31,4424.54 6420.46,4424.54 6440,4405 v2(6580,4405) ; U13.14@6496.46,4900 6610,4900 ; v2(6595,4970) 6610,4955 6610,4900 ; R68.2@6710.04,4765 R65.1@6710.04,4905 ; C3.1@6710.04,5030 R65.1@6710.04,4905 ; 6610,4900 6705.04,4900 R65.1@6710.04,4905
  Bottom Layer w18: v2(6580,4405) 6585,4410 6585,4955 6595,4965 v2(6595,4970)
GND: C1.2 C2.1 C5.1 C30.2 C31.2 C32.1 C33.1 C34.2 C35.2 C36.2 C38.1 C39.2 C40.2 C41.1 C43.1 C56.2 C99.1 D1.2 D2.1 D61.1 P13KB.1 P13KB.6 P14PANEL.1 P15RL.9 P15RL.10 P16AN.10 pad.4 pad.5 pad.8 pad.9 PN1.3 PN1.4 R41.2 R44.1 R50.2 R54.1 R59.2 R63.1 R69.2 R72.2 R74.1 R81.2 R84.1 R89.2 R92.1 R97.1 R99.1 R106.1 R110.1 R112.1 R114.1 R116.1 R117.1 U1.1 U12.11 U12.12 U13.11 U50.3 U50.5 U51.2 | length 23532.5
  Top Layer w20: 5335,4880 5325,4870 v1(5285,4870) 5181.42,4870 ccw(c5181.42,4770) 5110.71,4840.71 5056.19,4786.19 ccw(c5088.04,4754.34) 5043,4754.34 5043,4720 ccw(c5098.53,4720) 5059.26,4680.74 5118.18,4621.82 5119.01,4621.82 5139.17,4601.66 5139.17,4600.83 5175.71,4564.29 ccw(c5246.42,4635) 5246.42,4535 C39.2@5395.04,4535 R114.1@5395.04,4375 ; v1(5441,4869) 5446,4869 5447,4870 5452,4865 5452,4835.98 5468.49,4819.49 ; v1@5452,4884.02 5453.02,4884.02 5497,4928 5565.58,4928 ccw(c5565.58,5028) 5636.29,4957.29 5673.02,4994.02 cw(c5685.04,4982.01) R92.1@5685.04,4999 ; 5468.51,4819.46 ccw(c5510.71,4861.71) 5510.71,4802 5602.62,4802 ccw(c5602.62,4902) 5673.33,4831.29 R89.2@5685.04,4843 R89.2@5685.04,4866.46 ; v1(5565,5510) 5670.04,5510 5685.04,5525 ; R41.2@5685.04,5455 5685.04,5525 ; C1.2@5685.04,5905 R97.1@5685.04,5765.5 R44.1@5685.04,5610.25 5685.04,5525 ; C2.1@6464.96,5015 C2.1@6464.96,5030 ; U13.11@6496.46,4750 6436,4750 6418.76,4767.24 6418.76,4983.8 C2.1@6464.96,5030 ; U12.12@6496.46,5570 U12.11@6496.46,5520 6421.51,5520 6419,5522.51 ; v1(6625,5730) 6594.29,5760.71 ccw(c6523.58,5690) 6523.58,5790 C33.1@6464.96,5790 6446.6,5771.64 ccw(c6513.25,5705) 6419,5705 6419,5522.51 ; v1(6800,4365) 6839.96,4404.96 R72.2@6839.96,4485 7008.96,4316 v1(7011,4316) ; P16AN.10@6856.69,4153.54 6905.24,4105 C38.1@6995.04,4105 ; R69.2@7134.96,4625 7134.96,4691 ; R74.1@7134.96,4765 7134.96,4691 ; R99.1@7424.96,4905 C36.2@7424.96,4765 7467.66,4722.3 cw(c7422.36,4677) 7486.43,4677 7486.43,4429.65 cw(c7430.35,4429.65) v1(7470,4390) cw(c7470,4486.57) 7401.72,4418.28 v1(7330,4490) 7334.21,4494.21 ccw(c7263.5,4564.92) 7363.5,4564.92 7363.5,4666.2 7334.69,4695 7138.96,4695 7134.96,4691 ; P13KB.1@7657.48,4655.91 7784.13,4655.91 C32.1@7794,4646.04 ; 6419,5522.51 6419,5280.97 ccw(c6459.97,5280.97) 6431,5252 6435.67,5247.33 cw(c6364.96,5176.62) 6464.96,5176.62 C2.1@6464.96,5030
  Top Layer w24: R50.2@4690.04,5565 4690.04,5605.04 4738.19,5653.19 5078.19,5653.19 5110,5685 5260,5685 5295,5720 5295,5980 5485,6170 5655,6170 5705,6220 5705,6261.26 U50.3@5690,6276.26 ; C40.2@5395.04,4999 5335,4938.96 5335,4880 5335,4746 5342.97,4738.03 5343.21,4738.03 5361.03,4720.21 5361.03,4719.97 5446.54,4634.46 5455.84,4634.46 5481.31,4609 5685.04,4609
  Top Layer w37: P14PANEL.1@4153.54,6355.91 4218.64,6421 4551,6421 4689,6283 5053,6283 C30.2@5110,6340 ; PN1.4@7130.71,6870.08 7155,6870.08 7248.08,6777 7327,6777 7374.96,6729.04 C5.1@7374.96,6690 7399.76,6665.2 U1.1@7399.76,6546.26
  Top Layer w40: D1.2@4350,6690 4350,6729 4394,6773 4751,6773 4890,6634 4890,6560 C30.2@5110,6340 5110,6413 5208,6511 5386,6511 5615.04,6740.04 R106.1@5615.04,6765 ; C34.2@4690.04,5155 R110.1@4690.04,5280 R54.1@4690.04,5415 R50.2@4690.04,5565 ; P15RL.9@5180.32,6870.08 P15RL.10@5280.32,6870.08 ; C40.2@5395.04,4999 R116.1@5395.04,5155 ; R84.1@5685.04,4531 5685.04,4609 R81.2@5685.04,4687 ; U51.2@6725,6560 6725,6694.96 C41.1@6659.96,6760 C99.1@6805.04,6760 6805.04,6820.04 6855.08,6870.08 PN1.4@7130.71,6870.08 ; R117.1@7090,5920 7179.96,5830.04 R59.2@7179.96,5610 R63.1@7179.96,5473.33 R112.1@7179.96,5336.67 C35.2@7179.96,5200 7340.04,5200 C43.1@7381.04,5241 7381.04,5193.96 7415,5160 7653.39,5160 P13KB.6@7657.48,5155.91 ; PN1.4@7155,6870.08 PN1.3@7230.71,6870.08
  Bottom Layer w20: v1(5441,4869) 5435,4875 v1@5320,4875 ; v1(5565,5510) 5690,5635 U50.3@5690,6276.26 ; U50.5@5823.86,6276.26 5875,6225.12 5875,5920 5920,5875 5920,5475 v1@5320,4875 ; v1(6625,5730) 6710,5815 C56.2@6710,5935 ; v1(6800,4365) 6800,4303 6856.69,4246.31 P16AN.10@6856.69,4153.54 ; v1(7011,4316) 7153.92,4316 7154.96,4314.96 v1(7330,4490) ; v1@5320,4875 5315,4870 v1(5285,4870) 5290,4875 v1@5320,4875
  Bottom Layer w37: P14PANEL.1@4153.54,6355.91 4153.54,6518.54 D1.2@4325,6690 ; R117.1@7090,5920 7210,5800 C31.2@7360,5800
  Bottom Layer w40: P15RL.10@5280.32,6870.08 5280.32,6775.32 5110,6605 C30.2@5110,6340 5110,6210 5150,6170 5655,6170 5685,6200 5685,6282.52 U50.5@5786.93,6282.52 ; U50.5@5823.86,6276.26 5903.74,6276.26 D61.1@5985,6195 ; D61.1@6000,6195 6270,6195 ; U51.2@6725,6560 6730,6565 6730,6640 6640,6730 6380,6730 6270,6620 6270,6195 ; R117.1@7090,5920 7075,5935 C56.2@6710,5935 6710,6045 6560,6195 6270,6195 ; v1(7470,4390) 7530,4390 D2.1@7620,4480 7657.48,4517.48 P13KB.1@7657.48,4655.91 7735.91,4655.91 7780,4700 7780,5105 7729.09,5155.91 P13KB.6@7657.48,5155.91
  other v3: 7313,5404
N: P14PANEL.4 R7.1 R9.1 R11.1 | length 521.8
  Bottom Layer w40: P14PANEL.4@4153.54,6055.91 4389.09,6055.91 4390,6055 4390,5932.5 R7.1@4390,5770
NetC3_2: C3.2 R65.2 R67.1 U13.13 | length 870.7
  Top Layer w18: U13.13@6496.46,4850 6550.2,4850 cw(c6550.2,4802.2) 6584,4836 6623.69,4796.31 cw(c6596.37,4769) 6635,4769 6635,4738.44 ccw(c6667.44,4738.44) 6644.48,4715.52 6648.72,4711.28 ; 6648.73,4711.27 ccw(c6665,4727.56) 6665,4704.54 6754.69,4704.54 6774,4723.85 6774,4813 cw(c6836.86,4813) 6792.39,4857.43 R65.2@6839.96,4905 ; C3.2@6839.96,5030 R65.2@6839.96,4905 ; R67.1@7005.04,4905 R65.2@6839.96,4905
NetC37_1: C37.1 R2.2 R69.1 R71.2 | length 2760.4
  Top Layer w24: R2.2@5235,4080 5333.58,4080 ccw(c5333.58,4180) 5404.29,4109.29 5484.71,4189.71 cw(c5555.42,4119) 5555.42,4219 v2(5784,4219) ; v2(6215,4295) cw(c6221.04,4288.96) 6221.04,4297.5 6910.44,4297.5 cw(c6910.44,4245.44) 6947.24,4282.26 6959,4270.5 ; R71.2@6839.96,4625 R69.1@7005.04,4625 7070.04,4560 ; 6959.21,4270.5 ccw(c6959,4200.59) 6959,4270.5 ; C37.1@7295.04,4625 7230.04,4560 7070.04,4560 ; 6959,4270.5 6982.04,4247.46 7047.56,4247.46 ccw(c7047.56,4283.44) 7073,4258 ccw(c7044.03,4286.97) 7085,4286.97 7085,4353.84 ccw(c7033.92,4353.84) 7070.04,4389.96 7070.04,4560
  Bottom Layer w24: v2(5784,4219) 5864,4299 v2@6215,4299
NetD1_1: D1.1 D7.1 | length 120
  Bottom Layer w40: D1.1@4355,6290 D7.1@4475,6290
NetD61_2: D61.2 L5.1 U50.2 | length 674.2
  Bottom Layer w40: U50.2@5623.07,6433.74 5623.07,6538.07 5675,6590 6030,6590 L5.1@6130,6490
NetR1_2: R1.2 R2.1 | length 105
  Bottom Layer w40: R1.2@4630,4080 R2.1@4735,4080
NetR3_2: R3.2 R4.1 | length 105
  Bottom Layer w40: R3.2@4630,4232.5 R4.1@4735,4232.5
NetR4_2: R4.2 R81.1 R83.2 | length 1202.8
  Top Layer w20: v2(5475,4694.46) ccw(c5521.99,4741.46) 5521.99,4675 5543.23,4675 ccw(c5543.23,4722.8) 5577.02,4689 5601,4712.98 5636.03,4748.03 cw(c5677,4707.06) 5677,4765 5730,4765 cw(c5730,4680.5) 5789.72,4740.28 ; 5789.75,4740.25 5814.96,4715.04 R81.1@5814.96,4687 5817.96,4690 R83.2@5975.04,4690
  Bottom Layer w20: R4.2@5235,4232.5 5332.5,4232.5 5475,4375 v2(5475,4694.46)
NetR5_2: R5.2 R6.1 | length 105
  Bottom Layer w40: R5.2@4635,4385 R6.1@4735,4385 R6.1@4740,4385
NetR6_2: R6.2 R89.1 R91.2 | length 1144.6
  Top Layer w18: v2(5530,4870) cw(c5566.21,4833.79) 5566.21,4885 5592.88,4885 ccw(c5592.88,4955.12) 5642.46,4905.54 ; 5642.48,4905.55 cw(c5662.9,4885.1) 5662.9,4914 5710,4914 cw(c5710,4832.01) 5767.97,4889.99 R89.1@5814.96,4843 5973.04,4843 R91.2@5975.04,4845
  Bottom Layer w18: R6.2@5235,4385 5235,4655 5355,4775 5447,4775 5530,4858 v2(5530,4870)
NetR7_2: R7.2 R8.1 | length 134.2
  Bottom Layer w40: R7.2@4900,5790 R8.1@5020,5730
NetR8_2: R8.2 R41.1 R43.2 | length 875.3
  Top Layer w18: R8.2@5520,5730 ccw(c5520,5652.75) 5515.89,5729.89 ccw(c5520,5652.75) 5465.37,5707.37 5446.8,5688.8 ccw(c5494.6,5641) 5427,5641 5427,5579.42 ccw(c5527,5579.42) 5456.29,5508.71 5560.25,5404.75 ccw(c5620,5464.5) 5620,5380 5698.54,5380 ccw(c5698.54,5480) 5769.25,5409.29 R41.1@5814.96,5455 R43.2@5975.04,5455
NetR9_2: R9.2 R10.1 | length 134.2
  Bottom Layer w40: R9.2@4900,5932.5 R10.1@5020,5872.5
NetR10_2: R10.2 R50.1 R52.2 | length 852.8
  Top Layer w18: R50.1@4819.96,5565 R52.2@5030.04,5565 ccw(c5030.04,5601.49) 5055.84,5575.68 5094,5613.85 cw(c5145.07,5562.77) 5145.07,5635 5271,5635 ccw(c5271,5717.08) 5329.01,5659.01 ; 5329.04,5659.04 5374.71,5704.71 ccw(c5304,5775.42) 5397.77,5740.68 ccw(c5304,5775.42) 5401.73,5754.23 ccw(c5304,5775.42) 5404,5775.42 5404,5783 cw(c5471.6,5783) 5423.8,5830.8 5436.21,5843.21 cw(c5506.92,5772.5) 5506.92,5872.5 R10.2@5520,5872.5
NetR11_2: R11.2 R12.1 | length 134.2
  Bottom Layer w40: R11.2@4900,6075 R12.1@5020,6015
NetR12_2: R12.2 R59.1 R61.2 | length 1788.3
  Top Layer w18: R12.2@5520,6015 5809.58,6015 ccw(c5809.58,6115) 5880.29,6044.29 5903,6067 cw(c5933.27,6036.73) 5933.27,6079.54 6039.04,6079.54 cw(c6039.04,5979.54) 6109.75,6050.25 6198.74,5961.26 ccw(c6238,6000.53) 6238,5945 6274.32,5945 6275.03,5944.29 6298.08,5944.29 6298.28,5944.5 6302.84,5944.5 6303.34,5945 6442.58,5945 cw(c6442.58,5845) 6469.77,5941.23 cw(c6442.58,5845) 6513.29,5915.71 6605.21,5823.79 ccw(c6675.92,5894.5) 6675.92,5794.5 6764.08,5794.5 cw(c6764.08,5694.5) 6834.79,5765.21 6867.71,5732.29 cw(c6797,5661.58) 6884.96,5709.15 cw(c6797,5661.58) 6897,5661.58 R61.2@6897,5610 ; R61.2@6884.96,5610 R61.2@6897,5610 ; R59.1@7050.04,5610 R61.2@6897,5610
NetR37_1: R37.1 R40.2 U12.1 | length 379.5
  Top Layer w18: R40.2@6104.96,5905 R37.1@6104.96,5755 6160.67,5699.29 ccw(c6231.38,5770) 6231.38,5670 U12.1@6303.54,5670
NetR37_2: R37.2 R39.1 U12.2 | length 408.6
  Top Layer w18: R37.2@5975.04,5755 5975.04,5734.92 R39.1@6104.96,5605 6119.96,5620 U12.2@6303.54,5620
NetR43_1: R43.1 R44.2 U12.3 | length 597.7
  Top Layer w18: R44.2@5814.96,5610.25 5874.85,5550.36 ccw(c5924,5599.51) 5924,5530 6003.58,5530 cw(c6003.58,5430) 6074.29,5500.71 6104.96,5470.04 R43.1@6104.96,5455 6190.67,5540.71 cw(c6261.38,5470) 6211.9,5556.9 cw(c6261.38,5470) 6261.38,5570 U12.3@6303.54,5570
NetR45_1: R45.1 R49.2 U12.7 | length 1335.5
  Top Layer w18: R49.2@5159.96,5155 R45.1@5159.96,5290 5160.67,5290.71 cw(c5231.38,5220) 5170.72,5299.5 cw(c5231.38,5220) 5231.38,5320 5401,5320 cw(c5401,5226.32) 5459.49,5299.5 cw(c5401,5226.32) 5467.22,5292.58 ; 5467.24,5292.56 5474.4,5285.4 ccw(c5506.76,5317.76) 5506.76,5272 5535.47,5272 5536.17,5271.29 5741.29,5271.29 5742,5272 6055.71,5272 6056.41,5271.29 6110.42,5271.29 6111.13,5272 6130,5272 ccw(c6130,5331.45) 6172.04,5289.41 6223.34,5340.71 cw(c6294.05,5270) 6294.05,5370 U12.7@6303.54,5370